# Altium PCB PCB2.PcbDoc (part 2 of 3) (continued)
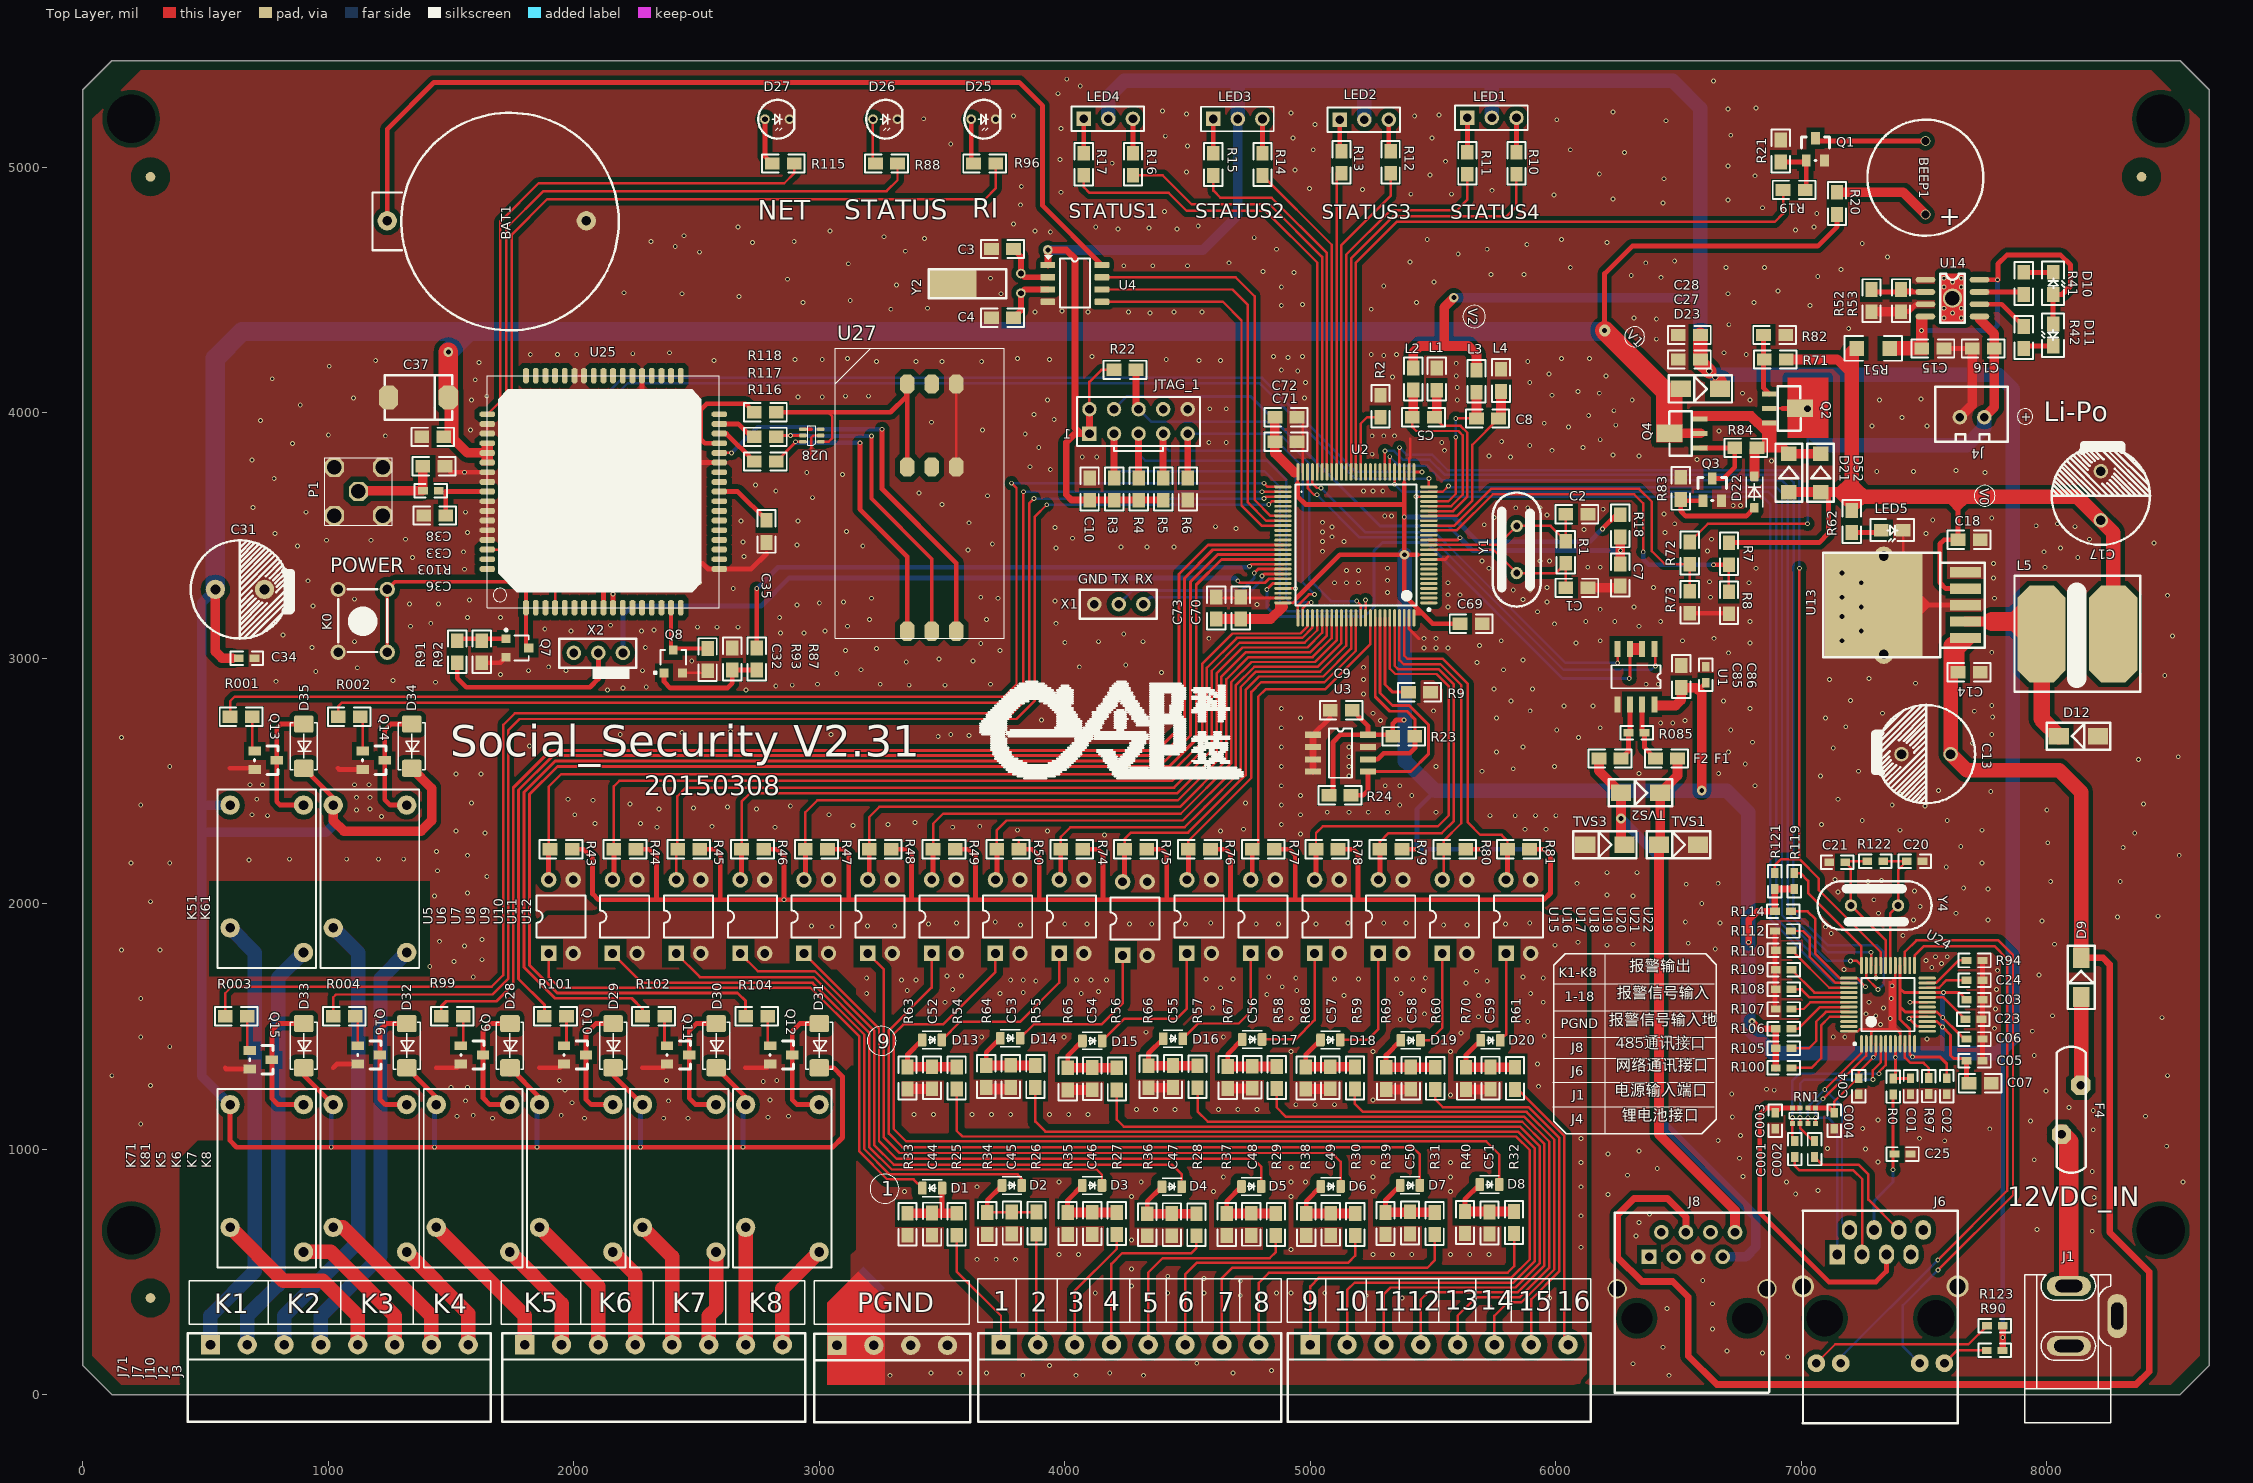
[diagram p0: Top Layer view]
## Nets (pads, with @x,y where several pads share a name; then routed paths per layer and width w, separated by ;. In a path a pad name is that pad's centre, name@x,y a point inside that pad or via, vN(x,y) a via of type N, cw(c..) or ccw(c..) an arc to the next point about the centre after c; other vN are vias at no path point) (continued)
  Top Layer w15.75: 1240,3024.09 1240,3280 ; 1244.72,3284.72 1240,3280 ; 1816.38,3041.26 1805.44,3052.21 1805.44,3205.98 1805.44,3281.18 1775.59,3311.02 1271.02,3311.02 1240,3280 ; 2395.99,3205.98 2395.99,3041.65 2405.12,3032.52 2411.42,3038.82 2545.12,3038.82 ; 2933.12,3932.44 2965.91,3932.44 ; v1(3212.6,3904.73) 3212.6,3649.61 3458,3404.2 3458,3109
  Top Layer w19.68: 580,1331.26 585,1326.26 680,1326.26 ; 600,1181.26 600,1033.86 625.98,1007.87 v1(1011.81,1007.87) v1(1433.07,1007.87) v1(1850.39,1007.87) v1(2271.65,1007.87) v1(2688.98,1007.87) 3055.12,1007.87 3094.49,1047.24 3094.49,1295.28 3058.5,1331.26 3000,1331.26 ; 600,2551.26 695,2551.26 700,2546.26 ; 899.21,1181.26 795.12,1181.26 770,1206.38 770,1363.76 770,1482.6 798.66,1511.26 900,1511.26 ; 899.21,2401.26 803.46,2401.26 790,2414.72 790,2583.76 790,2715.2 806.06,2731.26 900,2731.26 ; 900,1331.26 900,1301.26 1020,1181.26 1020,1211.26 ; 900,2551.26 1020,2431.26 1020,2401.26 ; 1020,1331.26 1035,1346.26 1120,1346.26 ; 1040,2551.26 1045,2546.26 1140,2546.26 ; 1240,4781.26 1240,5154.65 1430.6,5345.24 3807.09,5345.24 ; 1319.21,1181.26 1232.13,1181.26 1210,1203.39 1210,1383.76 1210,1485.59 1235.67,1511.26 1320,1511.26 ; 1319.21,2401.26 1252.28,2401.26 1230,2423.54 1230,2583.76 1230,2706.38 1254.88,2731.26 1340,2731.26 ; 1320,1331.26 1440,1211.26 1440,1181.26 1440,1176.38 ; 1440,1331.26 1525,1331.26 1540,1346.26 ; 1475.12,3781.26 1499.21,3757.17 1647.75,3757.17 1647.95,3757.17 ; 1477.95,3678.43 1647.95,3678.43 ; 1478.35,3581.26 1478.35,3678.03 ; 1525.12,2981.26 1525.12,2918.14 1562,2881.26 2066,2881.26 2100,2915.26 2100,3021.26 ; 1525.12,3071.26 1532.52,3078.66 1723.86,3078.66 ; 1625.12,2981.26 1701.26,2981.26 1723.86,3003.86 ; 1739.21,1181.26 1657.32,1181.26 1630,1208.58 1630,1383.76 1630,1480.39 1660.87,1511.26 1740,1511.26 ; 1740,1331.26 1860,1211.26 1860,1181.26 ; 1860,1331.26 1945,1331.26 1960,1346.26 ; 1897.4,2097.16 1897.4,2215.74 ; 1993.23,2221.57 2040.24,2221.57 2076.77,2185.04 2076.77,2039.37 2100.39,2015.75 v1(2856.3,2015.75) ; 2120.4,3205.98 v1(2120.4,3281.18) ; 2159.21,1181.26 2070.71,1181.26 2050,1201.97 2050,1383.76 2050,1471.26 2090,1511.26 2160,1511.26 ; 2159.77,3205.98 v1(2159.77,3261.49) ; 2160,1331.26 2160,1301.26 2280,1181.26 ; 2163.23,2102.99 2163.23,2221.57 ; 2253.23,2221.57 2307.95,2221.57 2336.61,2192.91 2336.61,2019.68 ; 2277.88,4055.43 2277.88,4150.87 ; 2280,1331.26 2365,1331.26 2380,1346.26 ; 2367.72,2940 2367.72,2903.94 2393.7,2877.95 2625.43,2877.95 2645.12,2897.64 2645.12,2951.26 2745.12,2951.26 ; v1(2484.25,3799.21) 2486.93,3796.54 2592.84,3796.54 ; 2513.23,2221.57 2575.67,2221.57 2596.46,2200.79 2596.46,2019.68 ; 2523.62,3385.83 2545.99,3363.46 2592.84,3363.46 2722.32,3363.46 2785.12,3426.26 ; 2579.21,1181.26 2495.9,1181.26 2470,1207.17 2470,1383.76 2470,1481.81 2499.45,1511.26 2580,1511.26 ; 2580,1331.26 2700,1211.26 2700,1181.26 ; 2592.84,3678.43 2667.95,3678.43 2785.12,3561.26 ; 2592.84,3875.28 2533.73,3875.28 2516.75,3892.26 2516.75,4012.26 2540.75,4036.26 2700.12,4036.26 2735.12,4001.26 ; 2592.84,3914.65 2621.73,3914.65 2735.12,3801.26 ; 2592.84,3954.02 2670,3954.02 2722.76,3901.26 2735.12,3901.26 ; 2683.23,2102.99 2683.23,2221.57 ; 2700,1331.26 2785,1331.26 2800,1346.26 ; 2745.12,3041.26 v1(2745.12,3283.26) ; 2773.23,2221.57 2827.64,2221.57 2856.3,2192.91 v1(2856.3,2015.75) ; 2778.59,5195.12 2778.59,5044.96 2808.43,5015.12 ; 2825.12,4001.26 3036.14,4001.26 3289.92,4001.26 3354.18,4065.51 3354.18,4113.05 ; 2943.23,2102.99 2943.23,2221.57 ; 2999.21,1181.26 2909.29,1181.26 2890,1200.55 2890,1383.76 2890,1480.55 2920.71,1511.26 3000,1511.26 ; 3033.23,2221.57 3099.29,2221.57 3120.08,2200.79 3120.08,2015.75 ; v1(3165.35,3877.01) 3165.35,3606.3 3358,3413.65 3358,3109 ; 3203.23,2102.99 3203.23,2221.57 ; v1(3255.91,3932.44) 3255.91,3688.98 3558,3386.88 3558,3109 ; 3293.23,2221.57 3359.13,2221.57 3375.99,2204.72 3375.99,2015.75 ; 3358,3778.29 3358,4116.87 ; 3359.29,1334.88 3359.29,1384.88 3419.29,1444.88 ; 3463.23,2102.99 3463.23,2221.57 ; 3500,841.26 3500,742.91 3503.94,738.98 ; 3553.23,2221.57 3607.17,2221.57 3635.83,2192.91 3635.83,2019.68 ; 3618.59,5195.12 3618.59,5024.96 3628.43,5015.12 ; 3680.08,1340.71 3680.08,1394.33 3737.71,1451.97 ; 3684.33,741.97 3684.33,791.97 3744.33,851.97 ; 3723.23,2102.99 3723.23,2221.57 ; 3813.23,2221.57 3867.01,2221.57 3895.67,2192.91 3895.67,2015.75 ; 3814.25,5345.24 3909.45,5250.05 3909.45,4843.03 4151.03,4601.46 ; 3983.23,2102.99 3983.23,2221.57 ; 4011.57,741.97 4011.57,791.97 4071.57,851.97 ; 4011.93,1330.94 4011.93,1380.94 4071.93,1440.94 ; 4073.23,2221.57 4134.73,2221.57 4155.51,2200.79 4155.51,2015.75 ; 4077.4,5056.85 4077.4,5196.85 ; 4243.23,2096.69 4243.23,2221.57 ; 4277.4,5056.85 4277.4,5196.85 ; 4333.23,2221.57 4394.57,2221.57 4415.36,2200.79 4415.36,2015.75 ; 4335.98,737.09 4335.98,787.09 4395.98,847.09 ; 4340.83,1339.96 4340.83,1389.96 4400.83,1449.96 ; 4503.23,2102.99 4503.23,2221.57 ; 4593.23,2221.57 4654.41,2221.57 4675.2,2200.79 4675.2,2015.75 ; 4604.96,5056.06 4604.96,5196.06 ; 4659.6,738.03 4659.6,788.03 4719.6,848.03 ; 4663.38,1336.77 4663.38,1386.77 4723.38,1446.77 ; 4763.23,2102.99 4763.23,2221.57 ; 4804.96,5056.06 4804.96,5196.06 ; 4853.23,2221.57 4914.25,2221.57 4938.98,2196.85 4938.98,2015.75 ; 4944.68,3245.33 5120.62,3421.26 ; 4948.31,3712.6 4948.31,3657.99 4980.32,3625.98 5378.66,3625.98 ; 4981.65,1334.88 4981.65,1384.88 5041.65,1444.88 ; 4983.23,738.03 4983.23,788.03 5043.23,848.03 ; 5010.79,2687.8 5080.79,2757.8 5080.79,2787.8 ; 5017.4,2097.16 5023.23,2102.99 5023.23,2221.57 ; 5075.75,2441.26 5092.52,2458.03 5092.52,2657.48 5122.05,2687.01 ; 5113.23,2221.57 5174.1,2221.57 5194.88,2200.79 5194.88,2015.75 ; 5119.77,5193.23 5119.77,5071.97 5127.17,5064.57 ; 5122.84,2687.8 5235.2,2687.8 ; 5125.53,3421.26 v2@5382.6,3421.26 ; 5165.75,2441.26 5214.75,2441.26 5235.2,2461.71 5235.2,2537.8 ; 5170.79,2787.8 5235.2,2723.39 5235.2,2687.8 ; 5235.2,2587.8 5274.29,2587.8 5298.75,2612.26 5404.75,2612.26 5425.75,2633.26 5425.75,2681.26 ; 5277.4,2097.16 5283.23,2102.99 5283.23,2221.57 ; 5306.38,742.28 5306.38,792.28 5366.38,852.28 ; 5308.9,1333.15 5308.9,1383.15 5368.9,1443.15 ; 5319.77,5193.23 5319.77,5071.97 5327.17,5064.57 ; 5373.23,2221.57 v1(5433.94,2221.57) ; v1(5381.89,2748.03) 5350.39,2748.03 5335.75,2733.39 5335.75,2681.26 5329.21,2687.8 5235.2,2687.8 ; 5382.6,3712.25 v1(5382.6,3574.8) v2@5382.6,3421.26 ; v2(5383.86,3421.26) 5436.11,3421.26 ; 5610,3140 5498.01,3140 5382.6,3255.41 v2@5382.6,3421.26 ; 5629.84,745.91 5629.84,795.91 5689.84,855.91 ; 5633.23,2221.57 v1(5697.72,2221.57) ; 5633.94,1333.15 5633.94,1383.15 5693.94,1443.15 ; 5639.77,5060.79 5639.77,5200.79 ; 5797.4,2097.16 5803.23,2102.99 5803.23,2221.57 ; 5839.77,5060.79 5839.77,5200.79 ; 5893.23,2221.57 v1(5953.62,2221.57) 5978.35,2196.85 5978.35,2043.31 5950.79,2015.75 5194.88,2015.75 ; v1(6189.88,3526.42) 6247.25,3583.78 6262.64,3583.78 ; v5(6198.82,4334.65) 6198.82,4566.22 6311.02,4678.42 7066.93,4678.42 7145.75,4757.25 7145.75,4807.24 ; 6265.67,2590.87 6296.57,2621.77 6296.57,2696.38 6301.57,2701.38 6301.57,2811.97 ; 6351.57,2811.97 6351.57,2706.38 6361.57,2696.38 6361.57,2634.96 6405.67,2590.87 ; 6545.39,3182.84 6702.88,3182.84 ; 6589.06,3856.46 6729.06,3856.46 6729.06,3778.26 6682.06,3731.26 6637.5,3731.26 ; 6590.87,2880 6610.87,2900 ; 6600,3641.26 6514.25,3641.26 6509.06,3646.46 6509.06,3599.2 6529.52,3578.74 6775.34,3578.74 6809.06,3612.46 ; v1(6642.29,3380.47) 6705.24,3380.47 ; 6705.24,3470.47 7072.84,3470.47 7110.24,3507.87 7110.24,3676.46 ; 6846.3,4316.46 6846.3,4267.02 6846.3,4216.46 6846.3,4099.21 6869.06,4076.46 ; 6893.31,1888.5 6893.31,1572.91 6895.51,1570.71 ; 6893.86,1147.87 6913.86,1167.87 ; 6916.14,5020.55 7013.31,5020.55 7020,5027.24 7020,4911.49 7015.75,4907.24 ; 6922.72,4017.4 6944.88,4017.4 ; 6929.13,1167.87 6913.86,1167.87 ; 6995.12,1167.87 6976.36,1167.87 6963.62,1167.87 6913.86,1167.87 ; 7026.61,1167.87 7058.11,1167.87 7113.86,1167.87 7133.86,1147.87 ; 7068.29,5106.46 7505.75,5106.46 ; 7205.75,3511.26 7315.75,3511.26 7325.75,3521.26 ; 7285.75,4501.26 7295.75,4491.26 7405.75,4491.26 7460.75,4491.26 7505.75,4491.26 ; 7294.57,3216.2 7294.57,3216.06 7496.07,3216.06 7542.75,3216.06 7596.75,3216.06 7668.43,3216.06 ; 7346.69,570.87 7346.69,501.69 7304,459 7112,459 6830.71,740.29 6830.71,1141.73 6856.85,1167.87 6913.86,1167.87 ; 7405.75,4411.26 7436.85,4411.26 7466.85,4441.26 7505.75,4441.26 ; 7580.75,4261.26 7695.75,4261.26 ; 7668.43,3282.99 7589.06,3282.99 7564.96,3307.09 7564.96,3465.4 7581.76,3482.2 7638.43,3482.2 7638.43,3612.83 7683.07,3657.48 ; 7673.23,1360 7673.23,1278.58 7683.31,1268.5 ; 7725.75,4441.26 7815.75,4441.26 7905.75,4351.26 ; 7725.75,4491.26 7895.75,4491.26 7905.75,4481.26 ; 7725.75,4541.26 v1(7799.29,4541.26) 7801.18,4539.37 7801.18,4606.3 7836.62,4641.73 8057.09,4641.73 8096.46,4602.36 8096.46,4515.75 8061.97,4481.26 8025.75,4481.26 8025.75,4361.26 ; 7738.31,1368.5 7738.31,1448.5 7738.31,1608.5 7738.31,1688.5 7738.31,1768.5 ; 7905.75,4261.26 7915.75,4271.26 8025.75,4271.26 ; 7905.75,4571.26 8025.75,4571.26 ; v1(2856.3,2015.75) 3120.08,2015.75 ; 3120.08,2015.75 3375.99,2015.75 ; 3375.99,2015.75 3895.67,2015.75 ; 3895.67,2015.75 4155.51,2015.75 ; 4155.51,2015.75 4415.36,2015.75 ; 4415.36,2015.75 4675.2,2015.75 ; 4675.2,2015.75 4938.98,2015.75 ; 4938.98,2015.75 5194.88,2015.75
  Top Layer w23.62: 3791.03,4386.46 3821.03,4416.46 3821.03,4486.46 3836.03,4501.46 3931.03,4501.46 ; 3791.03,4666.46 3821.03,4636.46 3821.03,4566.46 3836.03,4551.46 3931.03,4551.46
  Top Layer w27.56: 3931.03,4601.46 v2(3931.03,4662.6) 4005.99,4662.6 4041.34,4627.24 4041.34,3937.8 4064.96,3914.17 ; 4100.4,4014.17 4100.4,3914.17 4064.96,3914.17 ; 4200.4,3914.17 4200.4,3734.41 4201.18,3733.62 ; 4290.4,4174.17 4290.4,4024.17 4300.4,4014.17 ; 4300.4,3914.17 4300.4,3734.41 4301.18,3733.62 ; 4400.4,3914.17 4400.4,3734.41 4401.18,3733.62 ; 4401.18,3643.62 4301.18,3643.62 4201.18,3643.62 4101.18,3643.62 4027.64,3643.62 4005.91,3665.35 4005.91,3877.95 4042.13,3914.17 4064.96,3914.17 ; 4500.4,3914.17 4500.4,3734.65 4501.18,3733.86 ; 5010.79,2537.8 5010.79,2587.8 5010.79,2637.8 5010.79,2687.8 ; 6530,661.26 6530,724 6454.79,799.21 6318.9,799.21 6251.97,732.28 6251.97,559.06 6350.39,460.63 6476.38,460.63 6539.37,397.64 6539.37,157.48 6655.85,41 8364,41 8417.32,94.32 8417.32,500 8255.91,661.42 8255.91,1751.97 8228.42,1779.45 8140,1779.45 ; v1(6785.43,1842.52) 6785.43,1933.07 6820.87,1968.5 6893.31,1968.5 6891.34,1970.47 6891.34,2059.21 6971.34,2059.21 ; v4@6800.2,1520.67 6830.16,1490.71 6895.51,1490.71 6895.51,1410.71 6895.51,1330.71 ; 7820.71,180 v1(7820.71,232.28) 7820.71,280
  Top Layer w39.37: 540,3280 540,3026.93 566.93,3000 610,3000 ; 1020,2401.26 1020,2338.27 1062.99,2295.28 1377.95,2295.28 1421.26,2338.58 1421.26,2470 1340,2551.26 ; 1122.92,3679.06 1125.12,3681.26 1385.12,3681.26 1385.12,3781.26 ; 1502.75,3900.26 1567.1,3835.91 1647.95,3835.91 ; 1740,1315.12 1740,1331.26 ; 3359.29,1244.88 3458.19,1244.88 3459.29,1245.98 ; 3359.29,1334.88 3459.29,1334.88 3559.29,1334.88 ; 3359.45,738.98 3459.45,738.98 ; 3459.45,739.45 3459.45,738.98 ; 3559.45,738.98 3503.94,738.98 3459.45,738.98 ; 3680.08,1340.71 3780.08,1340.71 ; 3780.08,1341.18 3780.08,1340.71 ; 3880.08,1340.71 3780.08,1340.71 ; 4011.57,741.97 4111.57,741.97 ; 4011.93,1240.94 4110.83,1240.94 4111.93,1242.05 ; 4011.93,1330.94 4111.93,1330.94 4211.93,1330.94 ; 4111.57,742.44 4111.57,741.97 ; 4211.57,741.97 4111.57,741.97 ; 4335.98,737.09 4435.98,737.09 ; 4340.83,1249.96 4439.72,1249.96 4440.83,1251.06 ; 4340.83,1339.96 4440.83,1339.96 4540.83,1339.96 ; 4435.98,737.56 4435.98,737.09 ; 4535.98,737.09 4435.98,737.09 ; 4616.75,3159.26 4716.75,3159.26 4838.63,3159.26 4888.51,3209.13 ; 4659.6,738.03 4759.6,738.03 ; 4663.38,1246.77 4762.28,1246.77 4763.38,1247.87 ; 4663.38,1336.77 4763.38,1336.77 4863.38,1336.77 ; 4759.6,738.5 4759.6,738.03 ; 4855.75,3981.26 4855.75,3881.26 4855.75,3835.2 4935.04,3755.91 ; 4859.6,738.03 4759.6,738.03 ; 4981.65,1244.88 5079.92,1244.88 5081.02,1245.98 ; 4981.65,1334.88 5081.02,1334.88 5181.65,1334.88 ; 4983.23,738.03 5083.23,738.03 ; 5083.23,738.5 5083.23,738.03 ; 5183.23,738.03 5083.23,738.03 ; 5306.38,742.28 5406.38,742.28 5506.38,742.28 ; 5308.9,1243.15 5407.79,1243.15 5408.9,1244.25 ; 5308.9,1333.15 5408.9,1333.15 5508.9,1333.15 ; 5415.75,3981.26 5419.14,3984.65 5419.14,4092.2 ; 5419.14,4182.2 5419.14,4243.94 5446.85,4271.65 5545.28,4271.65 ; 5505.75,3981.26 5515.04,3990.55 5515.04,4091.58 ; v2(5584.65,4468.5) 5545.28,4429.13 5545.28,4271.65 ; 5629.84,745.91 5729.84,745.91 5829.84,745.91 ; 5633.94,1243.15 5732.83,1243.15 5733.94,1244.25 ; 5633.94,1333.15 5733.94,1333.15 5833.94,1333.15 ; 5676.93,3976.22 5676.93,4082.83 ; 5676.93,4172.83 5676.93,4238.43 5643.7,4271.65 5545.28,4271.65 ; 5776.93,3986.22 5776.93,4086.22 ; 6130.75,3286.26 6255.12,3286.26 6262.64,3293.78 ; 6175.67,2590.87 6175.67,2540.87 6265.67,2450.87 v2(6265.67,2346.46) 6265.67,2253.78 6279.45,2240 ; 6262.58,3383.78 6262.64,3383.84 6262.64,3493.78 ; 6417.32,2807.09 6488.19,2807.09 6510.87,2829.76 6510.87,2880 6570.87,2880 6580.87,2870 ; 6495.67,2590.87 6495.67,2521.42 6425.12,2450.87 6425.12,2245.12 6420,2240 6420,1060.31 6730,750.31 6730,661.26 ; 6509.06,4096.46 6463.07,4050.47 6463.07,3915.51 6589.06,3915.51 ; v2(6594.49,2460.63) 6594.49,2856.38 ; 6809.06,3740.46 6809.06,3846.46 6819.06,3856.46 6924.57,3856.46 6949.06,3831.97 7078.74,3831.97 ; 6939.06,4216.46 7146.77,4216.46 7205.75,4157.48 ; 6949.06,3676.46 7110.24,3676.46 7197.17,3676.46 ; 7145.75,4897.24 7415.75,4897.24 7505.75,4807.24 ; 7285.75,4411.26 7405.75,4411.26 ; 7645.75,3981.26 7695.75,4031.26 7695.75,4261.26 ; 7668.43,3149.13 7777.56,3149.13 ; 7725.75,4381.89 7785.75,4321.89 7785.75,4261.26 7785.75,4021.26 7745.75,3981.26
  Top Layer w59.06: 600,681.26 816.69,464.57 976.69,464.57 1120,321.26 1120,203.15 ; 899.21,581.26 1010,581.26 1270,321.26 1270,203.15 ; 1020,681.26 1058.9,681.26 1418.9,321.26 ; 1319.21,581.26 1570,330.47 1570,321.26 1570,203.15 ; 1420,203.15 1420,320.16 1418.9,321.26 ; 1420,321.26 1418.9,321.26 ; 1440,681.26 1800,321.26 1800,203.15 ; 1739.21,581.26 1950,370.47 1950,321.26 1950,203.15 ; 1860,681.26 2100,441.26 2100,321.26 2100,203.15 ; 2159.21,581.26 2250,490.47 2250,321.26 2250,203.15 ; 2280,681.26 2400,561.26 2400,321.26 2400,203.15 ; 2550,203.15 2550,321.26 2579.21,350.47 2579.21,581.26 ; 2700,203.15 2700,321.26 2700,681.26 ; 2850,203.15 2850,354.33 2850,432.05 2999.21,581.26 ; 6589.06,4204.72 v3@6624.42,4169.36 ; 6589.06,4216.46 6589.06,4316.46 ; 6668.51,4096.46 6668.51,4125.28 ; 7205.75,3668.27 7205.75,4157.48 7205.75,4241.26 7225.75,4261.26 ; 7216.54,3629.92 7242.13,3655.51 ; 7261.97,3657.48 7683.07,3657.48 8123.78,3657.48 8220,3561.26 8270,3511.26 8270,3098.43 ; 7614.17,3059.06 7607.96,3052.84 7607.96,2661.26 7607.96,2608.58 7673.23,2543.31 8051.18,2543.31 8140,2454.49 8140,1779.45 ; 8140,1620 8140.94,1619.06 8140.94,1256.3
  Top Layer w66.93: 7978.66,3098.43 7978.66,2752.52 8048.98,2682.2
  Top Layer w78.74: 1489.06,4061.26 v2(1489.06,4246.93) ; v5(6198.82,4334.65) 6463.07,4070.39 ; 7777.56,3149.13 7927.95,3149.13 7978.66,3098.43 ; 8060,1060 8090,1030 8090,659 ; 8090,442.24 8090,659 ; 8090,560.35 8090,659
  Bottom Layer w10: v1(2120.4,3281.18) 2120.4,4063.26 2198.4,4141.26 4803.62,4141.26 4835.81,4109.07 5186.38,3758.5 v1(5455.35,3758.5) ; 2159.77,3271.65 2159.77,4060.26 2219.77,4120.26 4793.13,4120.26 5182.36,3731.02 v1(5482.99,3731.02) ; v1(2902.84,3881.26) v1@2905.12,3878.98 ; v1(3783.46,3712.6) v1(4811.02,3712.6) ; v1(3831.34,3677.8) v1(4803.78,3677.8) ; v1(3874.02,3649.61) v1(4811.02,3649.61) ; v1(3926.42,3624.76) 4829.49,3624.76 v1(4830.71,3625.98) ; 4200.4,3914.17 4200.4,3785.61 4224.75,3761.26 4812.75,3761.26 4875.75,3698.26 4875.75,3221.26 4906.75,3190.26 5197.75,3190.26 5225.12,3217.63 v1(5225.12,3236.22) ; 4300.4,3914.17 4300.4,3831.61 4327.75,3804.26 4823.75,3804.26 4902.75,3725.26 4902.75,3242.26 4917.75,3227.26 v1(5003.75,3227.26) ; 4300.4,4014.17 4351.31,3963.26 4824.75,3963.26 4996.06,3791.95 4996.06,3319.96 5083.74,3232.28 v1(5188.98,3232.28) ; 4400.4,3914.17 4400.4,3867.61 4422.75,3845.26 4834.65,3845.26 4939.75,3740.16 v1(4939.75,3284.09) ; 4500.4,3914.17 4833.84,3914.17 4968.5,3779.51 4968.5,3309.06 v1(5017.72,3259.84) ; v1(5027.56,3665.35) 5201.1,3491.81 5492.44,3491.81 6031.5,2952.76 6114.17,2952.76 ; v1(5043.31,3692.91) 5224.41,3511.81 5507.87,3511.81 5598.43,3421.26 6039.37,2980.31 6129.92,2980.31 ; v1(5304,3844.26) 5341,3844.26 5377,3808.26 5486,3808.26 5548,3746.26 6938.78,3746.26 6968.5,3716.54 6968.5,3377.65 6967.28,3376.43 6967.28,1970.45 7107.02,1830.71 7307.09,1830.71 7336.61,1801.18 7336.61,1673.23 v1(7312.99,1649.61) ; v1@5323.55,3816.65 5324.14,3816.65 v1@5325.81,3818.33 ; v1(5323.55,3820.59) v1@5325.81,3818.33 ; v1(5343.23,3708.26) 5374.6,3676.89 6866.42,3676.89 6897.64,3645.67 6897.64,1941.93 7142.72,1696.85 v1(7304.1,1696.85) ; v1(5362.92,3857.26) 5390.92,3829.26 5496,3829.26 5560,3765.26 6917.31,3765.26 ; v1(5430.6,3658.11) 6841.89,3658.11 6874.02,3625.98 6874.02,1935.02 7131.87,1677.17 7246.06,1677.17 v1(7261.81,1661.42) ; v1(5562.99,3701.5) 5568.23,3696.26 6898.23,3696.26 6921.26,3673.23 6921.26,1952.76 7107.28,1766.73 v1(7200.79,1766.73) ; v1(5592.52,3899.61) v1(5592.52,3976.38) ; 6102.36,2952.76 6114.17,2952.76 ; 6110.24,2980.31 6129.92,2980.31 ; v1@6251.97,2984.57 v1(6251.97,2980.31) 6129.92,2980.31 ; v1(6405.51,2968.5) 6389.76,2952.76 6114.17,2952.76 ; 6935.53,3765.26 6917.31,3765.26 ; 6963.86,1069.82 6963.86,1202.82 6963.86,1278.82 6992.13,1307.09 v1(7316.93,1307.09) ; v1(6963.86,1128.87) v1@6964.86,1127.87 ; v1(6992.13,3366.14) 6992.13,3744.09 6970.96,3765.26 6917.31,3765.26 ; v1(6994.86,1128.87) 6994.86,1266.51 7011.81,1283.46 v1(7291.34,1283.46) ; 6995.86,1070.82 6995.86,1191.82 ; v1(7025.59,3547.24) 7025.59,3938.97 ; v1(7026.61,1128.12) 7026.61,1174.25 v1(7095.47,1243.11) 7165.67,1172.91 7165.67,820 7165.67,701.89 7196.69,670.87 ; v1(7088.8,1204.95) 7058.11,1174.25 v1(7058.11,1128.13) 7108.09,1128.13 7145.67,1090.55 7145.67,690 7145.67,571.89 7146.69,570.87 ; 7160.69,127.95 7160.69,152.69 v1(7556,548) ; v1(7284.41,1802.13) 7107.32,1802.13 6944.88,1964.57 6944.88,3700.79 6921.41,3724.26 5536,3724.26 5477,3783.26 5360.88,3783.26 v1@5325.81,3818.33 ; 7482.56,127.95 7414,196.51 7414,364 v1(7557,507)
  Bottom Layer w11.81: 4200.4,4014.17 4251.48,4065.26 4757.75,4065.26 5284.75,3538.26 5562,3538.26 v1(5609.87,3490.39) v1@5615,3485.26 ; 4220,3220 4275.59,3275.59 4720.47,3275.59 4771.65,3326.77 v1(4771.65,3346.46) ; 4320,3220 4348.03,3248.03 4732.28,3248.03 4803.15,3318.9 v1(4803.15,3334.65) ; v1(4822.83,3279.53) 4822.83,3208.66 4862.14,3169.35 5220.54,3169.35 5259.84,3208.66 5259.84,3437.01 5293.74,3470.91 5473.98,3470.91 6027.56,2917.32 6122.05,2917.32 ; 6098.43,2917.32 6122.05,2917.32 ; v1(6299.21,2917.32) 6122.05,2917.32 ; 7296.69,670.87 7296.69,788.98 7374.02,866.3 v1(7374.02,916.02)
  Bottom Layer w15.75: v1(2642.44,3835.91) 2747.8,3941.26 2957.09,3941.26 2965.91,3932.44 ; v1(2882.52,3906.85) 2884.65,3908.98 2950.18,3908.98 2954.43,3904.73 v1(3212.6,3904.73) ; v1@2902.84,3878.98 v1@2905.12,3878.98
  Bottom Layer w19.68: v1(1011.81,1007.87) 1011.81,1173.07 1020,1181.26 1020,1196.54 ; v1(1433.07,1007.87) 1433.07,1174.33 1440,1181.26 ; v1(1850.39,1007.87) 1850.39,1171.65 1860,1181.26 ; 2200,3021.26 2200,3174.26 2238,3212.26 2763.44,3212.26 2877.95,3326.77 4692.91,3326.77 v1(4704.72,3314.96) ; v1(2271.65,1007.87) 2271.65,1172.91 2280,1181.26 ; v1(2688.98,1007.87) 2688.98,1170.24 2700,1181.26 ; v1(2745.12,3283.26) 2831.8,3369.94 4748.43,3369.94 v1(4752.75,3374.26) ; v1@2905.12,3878.98 2907.09,3877.01 v1(3165.35,3877.01) ; 2965.91,3932.44 v1(3255.91,3932.44) ; v1(5382.6,3574.8) 5581.46,3574.8 5682,3474.26 6137.73,3474.26 v1(6189.88,3526.42) ; 5508.86,2459.26 5433.94,2384.34 v1(5433.94,2221.57) v1(5697.72,2221.57) v1(5953.62,2221.57) ; v1@5615,3485.26 5662,3438.26 v1(6262.75,3438.26) 6248.03,3423.54 ; v1(6356.3,3433.07) 6356.3,3403.54 6379.37,3380.47 v1(6642.29,3380.47) ; v1(7490.16,4334.65) 7777.56,4334.65 7799.29,4356.38 v1(7799.29,4541.26) ; 7574.7,1393.6 v1(7574.7,1498.14) v1@7574.7,1633.68 ; 7799.21,1389.76 7820.71,1368.27 v1(7820.71,232.28)
  Bottom Layer w39.37: 487.87,2401.26 600,2401.26 ; 520,321.26 700.79,502.05 700.79,1800.47 600,1901.26 ; 540,3280 484.25,3224.25 484.25,2291.34 ; 600,1181.26 484.25,1297.01 484.25,2291.34 ; 1020,2401.26 1020,2319.21 992.13,2291.34 484.25,2291.34 ; v2(3931.03,4662.6) 4562.99,4662.6 4633.89,4733.49 ; 4582.68,4682.28 4633.89,4733.49 ; 4704.96,5196.06 4704.96,4804.57 4633.89,4733.49 ; 4708.9,5196.06 4708.9,5196.85 ; v2(5584.65,4468.5) 6585.12,4468.5 ; v2(6265.67,2346.46) 6421.26,2190.87 6421.26,1118.11 6814.96,724.41 6814.96,602.36 6773.86,561.26 6680,561.26
  Bottom Layer w59.06: 520,203.15 520,321.26 700.79,502.05 700.79,1800.47 600,1901.26 ; 670,203.15 670,321.26 795.28,446.54 795.28,1697.32 899.21,1801.26 ; 820,203.15 820,321.26 1122.05,623.31 1122.05,1799.21 1020,1901.26 ; 970,203.15 970,321.26 1212.6,563.86 1212.6,1694.65 1319.21,1801.26 ; 4177.4,5196.85 4177.4,5286.93 4242.13,5351.65 5257.88,5351.65 ; 4704.96,5196.06 4704.96,5322.36 ; 5219.77,5193.23 5219.77,5313.54 5257.88,5351.65 ; 5383.86,2580.26 v2(5383.86,3421.26) ; 5387.86,2580.26 5508.86,2459.26 6696.85,2459.26 6783.46,2372.65 6783.46,1519.68 ; 5739.77,5200.79 5739.77,5341.42 ; v3(6625.17,4170.1) 6589.06,4206.22 6589.06,5238.97 6476.38,5351.65 5257.88,5351.65 ; v3@6649.61,4153.54 7803.15,4153.54 7862.2,4094.49 7862.2,1452.76 7799.21,1389.76 7382.84,1389.76 6895.51,1389.76 ; 6784.86,1490.73 6885.83,1389.76 ; 7025.59,4015.75 7025.59,3938.97 7098.43,3866.14 7673.23,3866.14 7745.75,3938.66 7745.75,3981.26
  Bottom Layer w78.74: 540,3280 540,4221.1 649.61,4330.71 1572.84,4330.71 ; v2(1489.06,4246.93) 1572.84,4330.71 ; v5@6194.88,4330.71 1572.84,4330.71